# Altium PCB Proyecto0.PcbDoc (part 2 of 5) (continued)
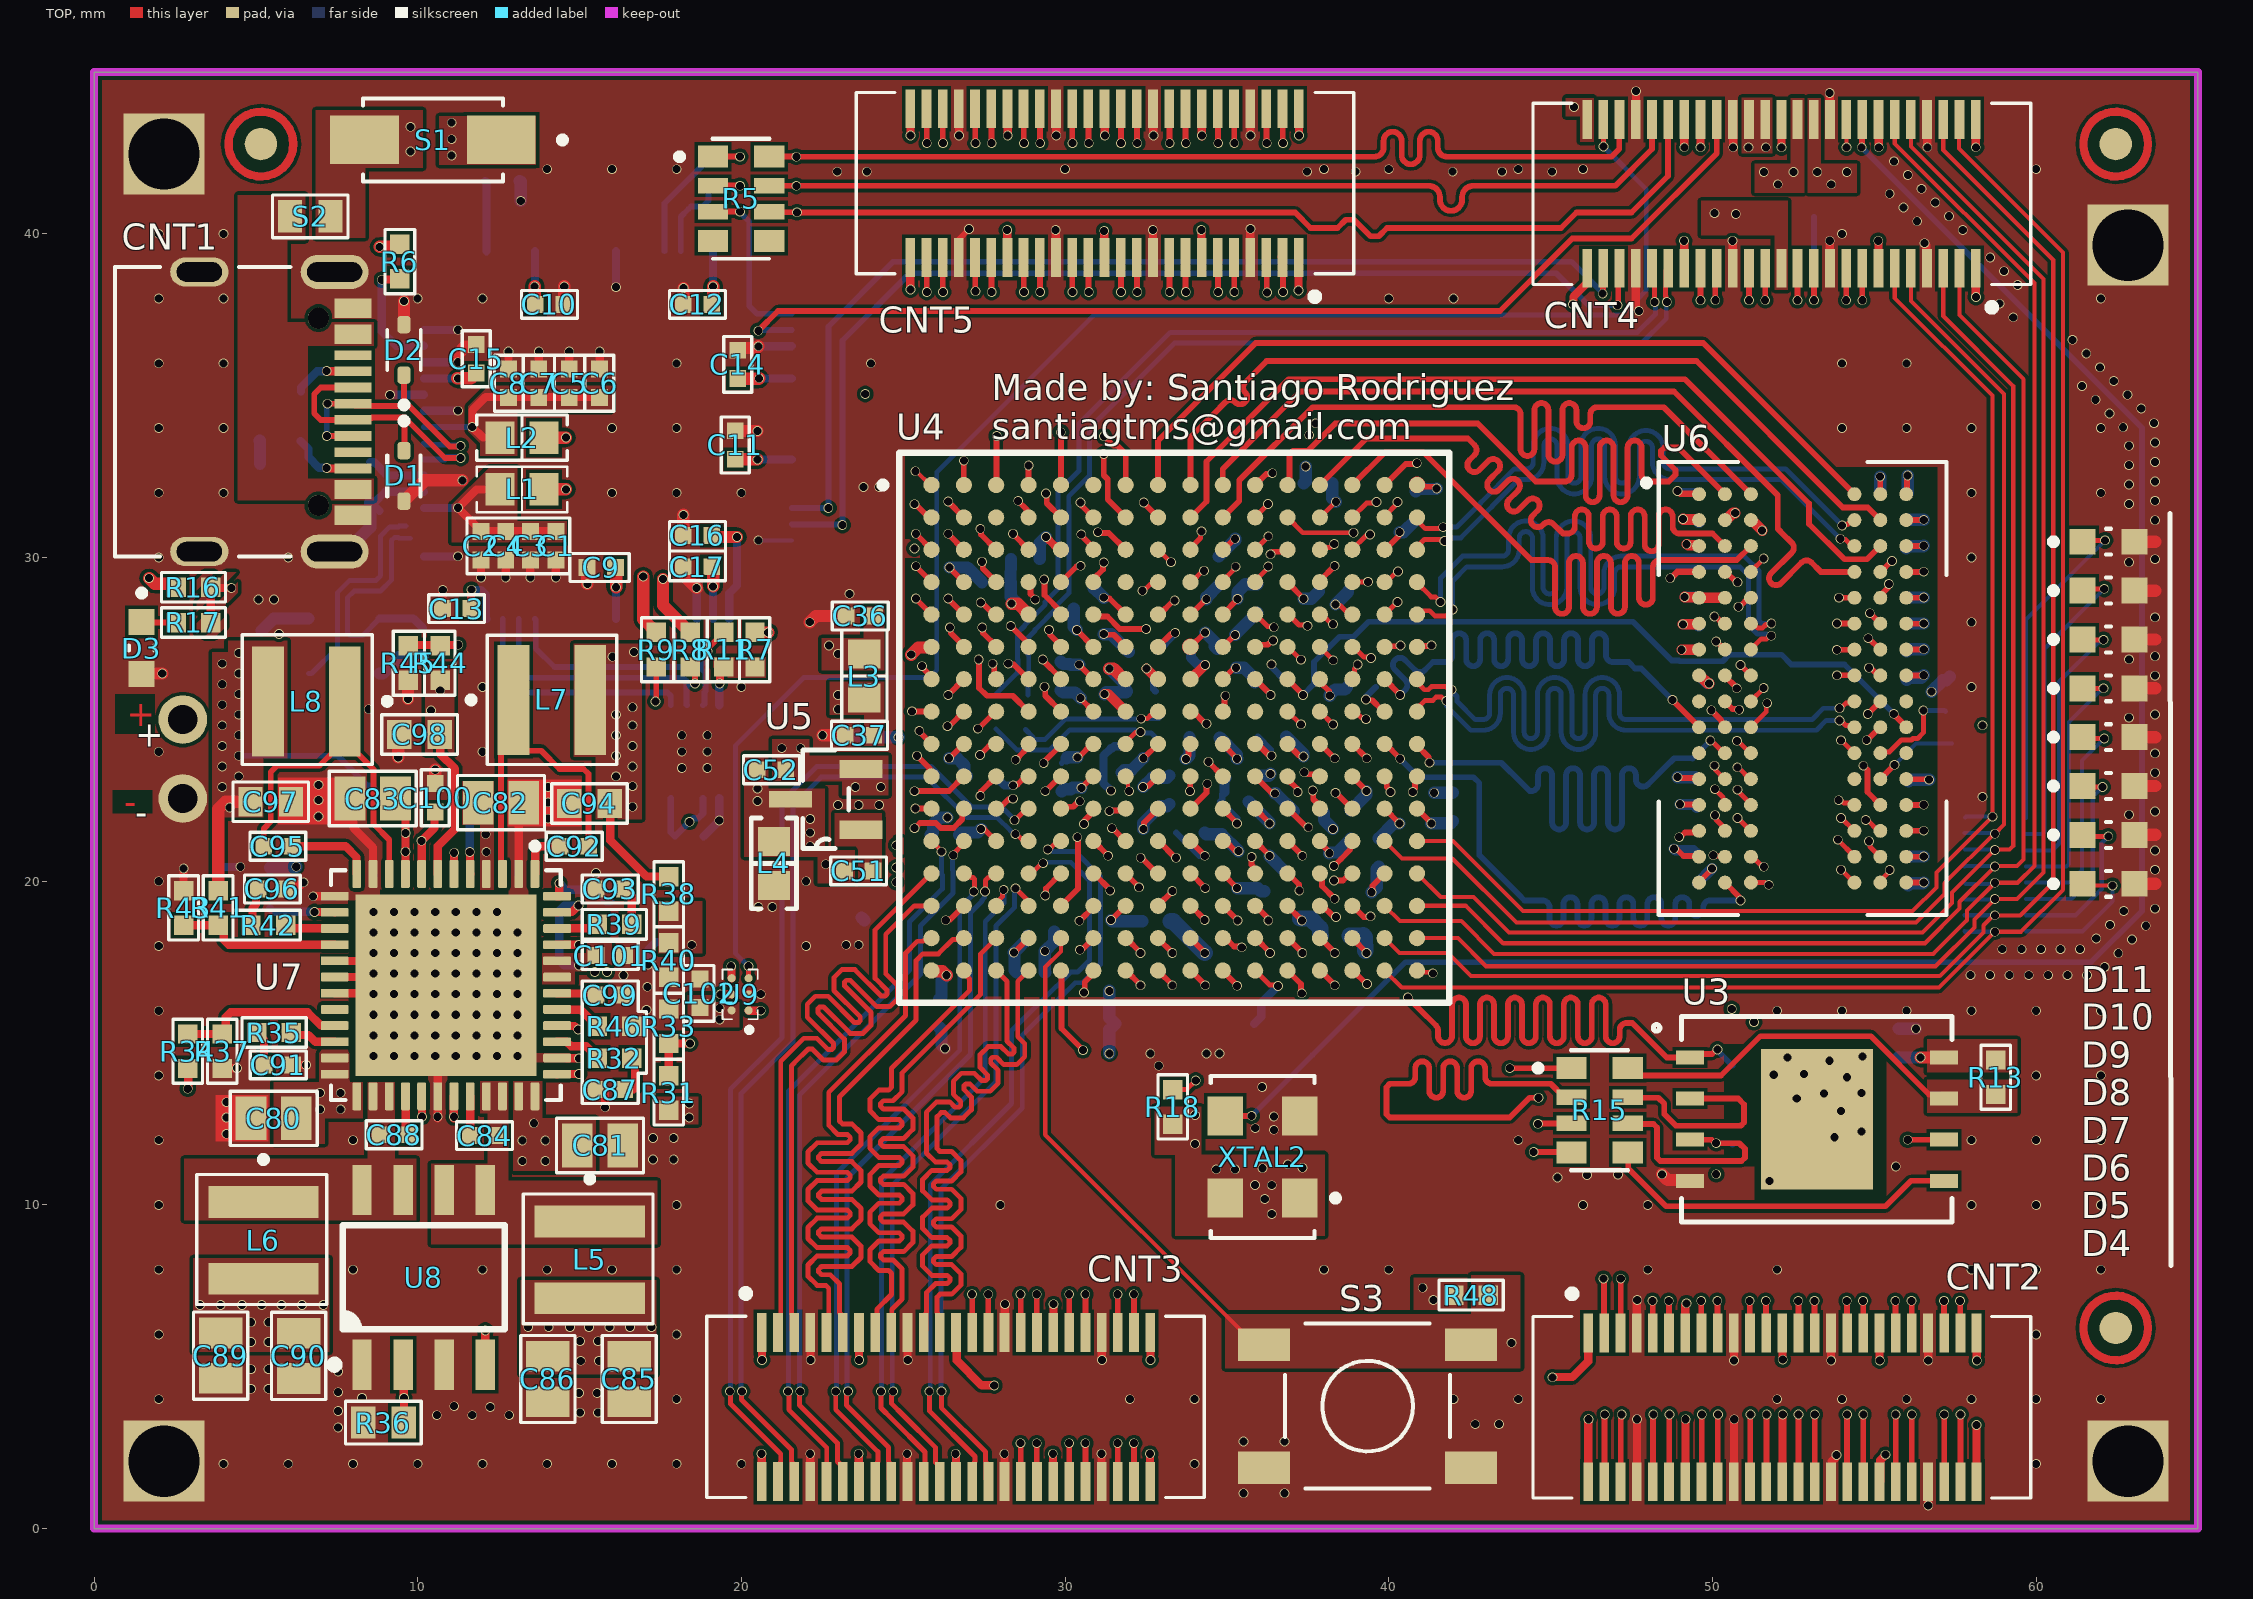
[diagram p0: TOP view]
## Nets (pads, with @x,y where several pads share a name; then routed paths per layer and width w, separated by ;. In a path a pad name is that pad's centre, name@x,y a point inside that pad or via, vN(x,y) a via of type N, cw(c..) or ccw(c..) an arc to the next point about the centre after c; other vN are vias at no path point) (continued)
ADD4: U4.F12 U6.P8 | length 23.4
  TOP w0.152: U4.F12@36.873,27.241 36.884,27.241 37.28,26.845 v1(37.286,26.845) ; v1(54.737,21.895) 54.777,21.895 55.115,21.557 U6.P8@55.186,21.557
  Signal[2] w0.152: v1(37.286,26.845) 37.696,26.845 38.527,26.014 38.837,26.014 ; 38.837,26.01 39.573,26.01 40.147,25.436 41.171,25.436 41.359,25.248 42.291,25.248 46.838,20.701 49.022,20.701 49.53,21.209 51.613,21.209 52.019,20.803 52.045,20.803 52.121,20.803 ccw(c52.121,21.006) 52.324,21.006 52.324,21.032 cw(c52.527,21.032) 52.73,21.032 52.73,20.925 ccw(c52.934,20.925) 53.137,20.925 53.137,21.032 cw(c53.34,21.032) 53.543,21.032 53.543,21.006 ccw(c53.746,21.006) 53.746,20.803 54.051,20.803 54.077,20.828 54.407,21.158 54.407,21.565 v1(54.737,21.895)
ADD5: U4.G14 U6.P2 | length 23.7
  TOP w0.152: U4.G14@38.873,26.245 38.939,26.312 38.939,26.556 39.038,26.654 v1(39.038,26.694) ; v1(50.081,22.039) 50.109,22.01 50.109,21.907 50.386,21.629 U6.P2@50.386,21.557
  TOP w0.178: U4.G14@38.873,26.241 U4.G14@38.873,26.245
  Signal[2] w0.152: v1(39.038,26.694) 39.078,26.694 39.277,26.495 42.878,26.495 42.924,26.495 42.954,26.464 ccw(c43.098,26.607) 43.242,26.464 43.352,26.574 cw(c43.496,26.431) 43.64,26.574 cw(c43.496,26.431) 43.64,26.287 43.285,25.932 ccw(c43.428,25.788) 43.285,25.644 ccw(c43.428,25.788) 43.572,25.644 43.927,25.999 cw(c44.071,25.856) 44.214,25.999 cw(c44.071,25.856) 44.214,25.712 43.859,25.357 ccw(c44.003,25.213) 43.859,25.07 ccw(c44.003,25.213) 44.147,25.07 44.502,25.425 cw(c44.645,25.281) 44.789,25.425 cw(c44.645,25.281) 44.789,25.137 44.434,24.782 ccw(c44.578,24.639) 44.434,24.495 ccw(c44.578,24.639) 44.721,24.495 45.077,24.85 cw(c45.22,24.706) 45.364,24.85 cw(c45.22,24.706) 45.364,24.563 45.009,24.208 ccw(c45.152,24.064) 45.009,23.92 ccw(c45.152,24.064) 45.296,23.92 45.651,24.275 cw(c45.795,24.132) 45.939,24.275 cw(c45.795,24.132) 45.939,23.988 45.584,23.633 ccw(c45.727,23.489) 45.584,23.345 ccw(c45.727,23.489) 45.871,23.345 46.226,23.701 cw(c46.37,23.557) 46.513,23.701 cw(c46.37,23.557) 46.513,23.413 46.158,23.058 ccw(c46.302,22.914) 46.158,22.771 ccw(c46.302,22.914) 46.446,22.771 46.801,23.126 cw(c46.944,22.982) 47.088,23.126 cw(c46.944,22.982) 47.088,22.838 46.978,22.728 ccw(c47.121,22.584) 46.978,22.441 47.404,22.014 50.056,22.014 v1(50.081,22.039)
ADD6: U4.H12 U6.R8 | length 23.7
  TOP w0.152: U4.H12@36.873,25.241 36.884,25.241 37.28,24.845 v1(37.286,24.845) ; v1(54.839,21.234) 54.867,21.206 54.867,21.067 55.091,20.843 55.103,20.843 U6.R8@55.121,20.825
  Signal[2] w0.152: v1(37.286,24.845) 37.924,24.207 39.471,24.207 40.617,23.061 40.867,23.061 41.044,22.884 41.044,22.633 41.044,22.507 41.732,21.819 41.732,20.98 44.526,18.186 52.349,18.186 54.81,20.647 54.81,21.206 v1(54.839,21.234)
ADD7: U4.E11 U6.R2 | length 23.8
  TOP w0.152: U4.E11@35.873,28.241 35.884,28.241 36.252,27.874 36.421,27.874 v1(36.449,27.846) ; v1@49.979,20.811 50.01,20.781 50.363,20.781 U6.R2@50.386,20.757
  Signal[2] w0.152: v1(36.449,27.846) 36.779,27.515 36.779,25.705 37.084,25.4 38.938,25.4 39.027,25.311 39.891,25.311 40.056,25.146 41.173,25.146 41.453,24.867 41.507,24.813 ccw(c41.65,24.956) 41.794,24.813 cw(c41.938,24.669) 42.082,24.813 cw(c41.938,24.669) 42.082,24.526 41.996,24.44 ccw(c42.14,24.297) 41.996,24.153 ccw(c42.14,24.297) 42.284,24.153 42.369,24.238 cw(c42.513,24.095) 42.657,24.238 cw(c42.513,24.095) 42.657,23.951 42.566,23.861 ccw(c42.71,23.717) 42.566,23.573 ccw(c42.71,23.717) 42.854,23.573 42.944,23.664 cw(c43.088,23.52) 43.231,23.664 cw(c43.088,23.52) 43.231,23.376 43.141,23.286 ccw(c43.285,23.142) 43.141,22.999 ccw(c43.285,23.142) 43.428,22.999 43.519,23.089 cw(c43.662,22.945) 43.806,23.089 cw(c43.662,22.945) 43.806,22.802 43.716,22.711 ccw(c43.859,22.568) 43.716,22.424 ccw(c43.859,22.568) 44.003,22.424 44.093,22.514 cw(c44.237,22.37) 44.381,22.514 cw(c44.237,22.37) 44.381,22.227 44.291,22.137 ccw(c44.434,21.993) 44.291,21.849 ccw(c44.434,21.993) 44.578,21.849 44.661,21.932 cw(c44.804,21.788) 44.948,21.932 cw(c44.804,21.788) 44.948,21.645 44.865,21.562 ccw(c45.009,21.418) 44.865,21.274 ccw(c45.009,21.418) 45.153,21.274 45.242,21.364 cw(c45.386,21.221) 45.53,21.364 cw(c45.386,21.221) 45.53,21.077 ccw(c45.673,20.933) 45.53,20.79 45.759,20.56 45.898,20.422 49.472,20.422 49.827,20.776 49.997,20.776 v1(50.026,20.804)
ADD8: U4.D13 U6.T8 | length 24
  TOP w0.152: U6.T8@55.186,19.957 55.186,20.018 55.474,20.305 v1(55.474,20.345)
  TOP w0.178: U4.D13@37.873,29.241 37.873,29.288 v2(38.329,29.743)
  Signal[2] w0.152: v2(38.329,29.743) 38.357,29.772 38.636,29.772 38.735,29.87 ; 38.745,29.891 40.848,29.891 41.112,29.627 46.853,29.627 49.005,27.474 49.506,27.474 49.595,27.385 49.595,25.843 49.854,25.584 50.09,25.584 50.267,25.407 50.267,25.37 50.72,24.917 51.359,24.917 51.511,24.765 52.324,24.765 55.169,21.92 55.169,20.65 v1(55.474,20.345)
ADD9: U4.H14 U6.R3 | length 23.3
  TOP w0.152: U4.H14@38.873,25.241 38.967,25.241 39.171,25.037 39.266,25.037 v1(39.294,25.008) ; U6.R3@51.186,20.757 51.237,20.757 51.547,20.447 v1(51.587,20.447)
  Signal[2] w0.152: v1(39.294,25.008) 39.558,25.008 39.726,24.841 40.638,24.841 40.993,24.486 41.377,24.486 41.935,23.927 41.935,23.622 42.888,22.669 42.888,22.06 44.887,20.061 45.161,19.787 45.572,19.787 cw(c45.572,19.583) 45.776,19.583 45.776,19.491 ccw(c45.979,19.491) 46.182,19.491 46.182,19.895 cw(c46.385,19.895) 46.588,19.895 46.588,19.491 ccw(c46.792,19.491) 46.995,19.491 46.995,19.895 cw(c47.198,19.895) 47.401,19.895 47.401,19.491 ccw(c47.604,19.491) 47.808,19.491 47.808,19.895 cw(c48.011,19.895) 48.214,19.895 48.214,19.491 ccw(c48.417,19.491) 48.62,19.491 48.62,19.895 cw(c48.824,19.895) 49.027,19.895 49.027,19.491 ccw(c49.23,19.491) 49.433,19.491 49.433,19.895 cw(c49.636,19.895) 49.84,19.895 49.84,19.491 ccw(c50.043,19.491) 50.246,19.491 50.246,19.583 cw(c50.449,19.583) 50.449,19.787 50.851,19.787 50.927,19.787 v1(51.587,20.447)
ADD10: U4.B11 U6.L7 | length 23.8
  TOP w0.152: U4.B11@35.873,31.241 35.873,31.253 36.268,31.648 v1(36.268,31.654) ; v1(53.973,24.353) 53.979,24.353 54.375,23.957 U6.L7@54.386,23.957
  Signal[2] w0.152: v1(36.268,31.654) 36.745,32.131 40.411,32.131 40.945,31.598 49.225,31.598 52.908,27.915 52.908,25.4 v1@53.975,24.333
ADD11: U4.F13 U6.R7 | length 23.7
  TOP w0.152: U4.F13@37.873,27.241 37.873,27.239 38.286,26.826 v1(38.286,26.825) ; v1(53.873,21.285) 53.873,21.278 54.386,20.765 U6.R7@54.386,20.757
  Signal[2] w0.152: v1(38.286,26.825) 38.893,26.218 42.083,26.218 46.664,21.636 48.818,21.636 48.846,21.664 49.097,21.664 49.124,21.636 50.758,21.636 50.834,21.636 50.935,21.636 ccw(c50.935,21.839) 51.139,21.839 51.139,22.276 cw(c51.342,22.276) 51.545,22.276 51.545,21.724 ccw(c51.748,21.724) 51.951,21.724 51.951,22.275 cw(c52.155,22.275) 52.358,22.275 52.358,21.723 ccw(c52.561,21.723) 52.764,21.723 52.764,22.274 cw(c52.967,22.274) 53.171,22.274 53.171,21.837 ccw(c53.374,21.837) 53.374,21.634 53.492,21.634 53.599,21.527 53.675,21.451 53.841,21.285 v1(53.873,21.285)
ADD12: U4.D11 U6.N7 | length 24
  TOP w0.152: U4.D11@35.873,29.241 35.873,29.28 36.277,29.684 v1(36.277,29.723) ; v1(53.899,22.504) 53.966,22.504 54.06,22.41 54.333,22.41 U6.N7@54.386,22.357
  Signal[2] w0.152: v1(36.277,29.723) 36.698,29.723 37.841,29.723 38.24,29.324 39.002,29.324 39.294,29.616 39.522,29.616 39.878,29.261 46.39,29.261 49.047,26.603 49.047,26.238 49.352,25.933 49.352,25.375 49.835,24.892 50.368,24.892 50.597,24.663 51.079,24.663 51.283,24.46 52.237,24.46 52.28,24.417 52.622,24.075 cw(c52.478,23.932) 52.622,23.788 52.348,23.514 ccw(c52.492,23.371) 52.348,23.227 ccw(c52.492,23.371) 52.635,23.227 52.909,23.501 cw(c53.053,23.357) 53.196,23.501 53.716,22.982 53.851,22.846 53.851,22.552 v1(53.899,22.504)
ADD13: U4.G11 U6.T3 | length 23.2
  TOP w0.152: U6.T3@51.186,19.957 51.631,19.957 51.7,19.888 v1(51.74,19.888)
  TOP w0.178: U4.G11@35.873,26.241 36.351,25.763 v1(36.351,25.756)
  Signal[2] w0.152: v1@36.322,25.73 36.322,25.726 36.046,25.451 35.624,25.451 35.535,25.362 35.535,24.575 35.624,24.486 36.398,24.486 37.084,25.171 38.633,25.171 38.886,24.919 38.886,24.887 39.134,24.638 40.386,24.638 40.945,24.079 41.326,24.079 41.58,23.825 41.58,23.444 42.52,22.504 42.52,21.869 45.39,18.999 51.13,18.999 51.74,19.609 v1(51.74,19.888)
ADD14: U4.H13 U6.T7 | length 23.4
  TOP w0.152: U4.H13@37.873,25.241 37.878,25.241 38.277,24.842 v1(38.283,24.842) ; v1(53.972,20.354) 53.981,20.354 54.378,19.957 U6.T7@54.386,19.957
  Signal[2] w0.152: v1(38.283,24.842) 38.289,24.842 38.721,24.41 40.233,24.41 40.955,23.688 40.955,23.537 41.132,23.359 41.284,23.359 42.005,22.638 42.005,21.571 44.933,18.644 51.333,18.644 51.511,18.821 51.852,19.163 cw(c51.996,19.019) 52.14,19.163 52.324,18.979 ccw(c52.467,19.122) 52.611,18.979 ccw(c52.467,19.122) 52.611,19.266 52.232,19.645 cw(c52.376,19.789) 52.232,19.933 cw(c52.376,19.789) 52.519,19.933 52.898,19.553 ccw(c53.042,19.697) 53.186,19.553 ccw(c53.042,19.697) 53.186,19.841 53.002,20.025 cw(c53.146,20.168) 53.002,20.312 53.043,20.354 53.368,20.354 v1(53.972,20.354)
AGND: C38.1 C51.1 C52.1 C53.1 CNT4.39 L4.2 U4.G7 U4.H7 U5.3 | length 5.1
  TOP w0.305: v1(31.217,25.781) 31.333,25.781 U4.H7@31.873,25.241
  TOP w0.381: v1(31.369,26.568) 31.493,26.568 31.82,26.241 U4.G7@31.873,26.241 U4.G7@31.835,26.278
  BOT w0.254: v1(31.417,22.8) 31.414,22.8 31.191,23.023 31.191,23.884 31.414,24.107 31.457,24.107 31.521,24.17 31.68,24.17 C53.1@31.75,24.24
  BOT w0.381: v1(31.217,25.781) 31.269,25.834 31.881,25.834 C38.1@31.913,25.866 31.843,25.935 31.843,26.094 v1(31.369,26.568)
  other v1: 22.606,20.523 22.123,21.082 22.123,21.501 22.123,21.92 20.495,22.479 20.495,22.86 52.019,41.529 51.587,41.91 52.502,41.91
B1: CNT5.15 U4.D3 | length 11.4
  TOP w0.178: v1(27.432,29.87) 27.455,29.847 27.455,29.662 27.873,29.245 U4.D3@27.873,29.241 ; CNT5.15@30.224,39.26 30.224,38.208 v1(30.23,38.202)
  Signal[1] w0.152: v1(27.432,29.87) 27.432,30.384 28.194,31.146 28.194,35.535 30.23,37.571 v1(30.23,38.202)
B2: CNT5.40 U4.A4 | length 13
  TOP w0.178: U4.A4@28.873,32.242 28.873,32.789 v1(28.874,32.845) ; CNT5.40@32.224,43.86 32.224,42.808 v1(32.23,42.802)
  Signal[1] w0.152: v1(28.874,32.845) 28.874,34.919 31.166,37.211 31.166,38.712 32.23,39.776 v1(32.23,42.802)
B4: CNT5.46 U4.D5 | length 17.1
  TOP w0.178: U4.D5@29.873,29.241 30.352,29.72 30.457,29.72 v1(30.48,29.743) ; CNT5.46@35.204,43.663 35.224,43.643 35.224,42.808 v1(35.23,42.802)
  Signal[1] w0.152: v1(30.48,29.743) 32.067,31.331 32.067,32.321 35.687,35.941 35.687,39.453 35.23,39.91 v1(35.23,42.802)
B5: CNT5.48 U4.F4 | length 22.2
  TOP w0.178: v1(28.32,27.887) 28.753,27.455 28.753,27.448 28.873,27.328 U4.F4@28.873,27.241 ; v1(36.23,42.802) 36.224,42.808 36.224,43.692 CNT5.48@36.246,43.713
  Signal[1] w0.152: v1(28.32,27.887) 28.921,27.887 30.142,29.108 31.496,29.108 33.706,31.318 33.706,32.461 37.541,36.297 37.541,38.481 36.23,39.792 v1(36.23,42.802)
B6: CNT5.49 U4.F5 | length 21.3
  TOP w0.178: v1(29.5,27.767) 29.524,27.744 29.524,27.623 29.873,27.274 U4.F5@29.873,27.241 ; CNT5.49@36.728,43.764 36.724,43.76 36.724,42.808 v1(36.73,42.802)
  Signal[1] w0.152: v1(29.5,27.767) 30.206,28.473 31.054,28.473 31.069,28.459 31.405,28.459 34.201,31.254 34.201,32.524 37.846,36.17 37.846,38.71 36.73,39.825 v1(36.73,42.802)
B7: CNT5.2 U4.D4 | length 15.3
  TOP w0.178: U4.D4@28.873,29.241 28.934,29.179 28.934,28.877 29.08,28.731 v1(29.08,28.698) ; CNT5.2@36.652,39.294 36.73,39.216 v1(36.73,38.202)
  Signal[1] w0.152: v1(29.08,28.698) 29.399,29.017 29.479,29.017 29.657,29.195 29.657,29.231 29.89,29.464 30.331,29.464 30.355,29.441 30.605,29.441 30.629,29.464 31.344,29.464 33.299,31.42 33.299,32.512 36.73,35.943 v1(36.73,38.202)
BA0: U4.C8 U6.M2 | length 23.5
  TOP w0.152: U4.C8@32.873,30.241 32.881,30.241 33.266,29.857 v1(33.275,29.857) ; v1(50.063,23.571) 50.092,23.543 50.092,23.439 50.373,23.157 U6.M2@50.386,23.157
  Signal[2] w0.152: v1(33.275,29.857) 33.921,29.21 34.392,29.21 35.154,28.448 35.178,28.448 35.204,28.422 36.252,28.422 36.254,28.425 37.302,28.425 37.482,28.245 38.659,28.245 39.091,27.813 45.085,27.813 45.248,27.976 45.469,27.976 45.858,27.976 45.933,27.901 cw(c45.789,27.758) 45.933,27.614 45.859,27.54 ccw(c46.003,27.397) 45.859,27.253 ccw(c46.003,27.397) 46.146,27.253 46.324,27.431 cw(c46.468,27.287) 46.612,27.431 cw(c46.468,27.287) 46.612,27.143 46.434,26.965 ccw(c46.577,26.822) 46.434,26.678 ccw(c46.577,26.822) 46.721,26.678 46.899,26.856 cw(c47.043,26.712) 47.186,26.856 cw(c47.043,26.712) 47.186,26.569 47.008,26.391 ccw(c47.152,26.247) 47.008,26.103 ccw(c47.152,26.247) 47.296,26.103 47.37,26.177 cw(c47.513,26.034) 47.657,26.177 48.057,25.778 48.057,25.273 48.075,25.255 49.73,23.599 50.035,23.599 v1(50.063,23.571)
BA1: U4.C12 U6.N8 | length 24.2
  TOP w0.178: v1(36.347,30.099) 36.428,30.179 36.811,30.179 U4.C12@36.873,30.241 ; v2(54.661,23.571) 54.661,23.569 54.788,23.442 54.788,22.756 U6.N8@55.186,22.357
  Signal[2] w0.152: v1(36.347,30.099) 41.097,30.099 41.303,29.893 47.501,29.893 49.056,28.338 49.31,28.338 49.866,27.782 50.33,27.782 50.419,27.692 50.419,25.756 50.521,25.654 50.975,25.654 51.585,25.044 52.415,25.044 53.888,23.571 v2(54.661,23.571)
BA2: U4.D9 U6.M3 | length 23.8
  TOP w0.152: U4.D9@33.873,29.241 33.906,29.241 34.256,29.591 v1(34.29,29.591) ; v1(50.767,23.517) 50.797,23.517 51.157,23.157 U6.M3@51.186,23.157
  Signal[2] w0.152: v1(34.29,29.591) 34.317,29.618 34.848,29.618 35.382,29.083 37.711,29.083 37.914,28.88 38.574,28.88 39.202,28.252 40.869,28.252 41.028,28.092 42.443,28.092 42.596,28.245 ; 42.596,28.252 42.884,28.252 42.96,28.252 ccw(c42.96,28.455) 43.163,28.455 43.163,28.463 cw(c43.366,28.463) 43.57,28.463 43.57,28.328 ccw(c43.773,28.328) 43.976,28.328 43.976,28.399 cw(c44.179,28.399) 44.382,28.399 44.382,28.328 ccw(c44.586,28.328) 44.789,28.328 44.789,28.383 cw(c44.992,28.383) 45.195,28.383 ccw(c45.398,28.383) 45.602,28.383 45.602,28.455 cw(c45.805,28.455) 46.008,28.455 ccw(c46.211,28.455) 46.211,28.252 46.373,28.252 46.525,28.1 48.387,26.238 48.387,25.375 49.809,23.952 50.876,23.952 51.096,23.732 51.096,23.606 51.007,23.517 v1(50.767,23.517)
BVUS: CNT1.A4_B9 CNT1.B4_A9 S2.1
BVUS_PROTECTED: R2.2 S1.A S2.2
  other v1: 9.779,42.545 9.779,43.307
C1: CNT5.14 U4.B4 | length 9.1
  TOP w0.178: v1(28.549,31.751) 28.811,31.489 28.811,31.303 U4.B4@28.873,31.241 ; CNT5.14@30.724,39.26 30.724,38.208 v1(30.73,38.202)
  Signal[1] w0.152: v1(28.549,31.751) 28.549,35.153 30.73,37.334 v1(30.73,38.202)
C2: CNT5.12 U4.C4 | length 10.5
  TOP w0.178: v1(28.391,30.734) 28.391,30.723 U4.C4@28.873,30.241 ; v1(31.73,38.202) 31.724,38.208 31.724,39.166 CNT5.12@31.75,39.192
  Signal[1] w0.152: v1(28.391,30.734) 28.981,31.325 28.981,32.258 29.21,32.487 29.21,34.696 31.73,37.217 v1(31.73,38.202)
C3: CNT5.11 U4.B5 | length 9.4
  TOP w0.178: v1(29.413,31.979) 29.437,31.955 29.437,31.677 U4.B5@29.873,31.241 ; v1(32.23,38.202) 32.224,38.208 32.224,39.26 CNT5.11@32.233,39.268
  Signal[1] w0.152: v1(29.413,31.979) 29.616,32.182 29.616,33.065 29.568,33.114 29.568,33.998 29.616,34.046 29.616,34.544 32.23,37.158 v1(32.23,38.202)
C4: CNT5.33 U4.E1 | length 20
  TOP w0.178: v1(25.391,28.734) 25.391,28.723 U4.E1@25.873,28.241 ; CNT5.33@28.724,43.86 28.724,42.808 v1(28.73,42.802)
  Signal[1] w0.152: v1(25.391,28.734) 24.936,28.734 22.352,31.318 22.352,36.423 v1(28.73,42.802)
C6: CNT5.9 U4.E5 | length 12.6
  TOP w0.178: v1(29.354,29.32) 29.362,29.312 29.362,28.839 29.873,28.328 U4.E5@29.873,28.241 ; CNT5.9@33.223,39.014 33.224,39.013 33.224,38.208 v1(33.23,38.202)
  Signal[1] w0.152: v1(29.354,29.32) 29.354,29.964 30.15,30.759 30.15,30.886 ; 30.151,30.886 30.151,32.729 ; 30.151,32.73 30.151,32.96 ; 30.151,32.961 30.151,33.757 33.23,36.837 v1(33.23,38.202)
C7: CNT5.8 U4.B6 | length 9.3
  TOP w0.178: v1(30.48,31.7) 30.503,31.676 30.503,31.611 U4.B6@30.873,31.241 ; v1(33.73,38.202) 33.724,38.208 33.724,39.033 CNT5.8@33.731,39.04
  Signal[1] w0.152: v1(30.48,31.7) 30.48,33.502 33.73,36.753 v1(33.73,38.202)
C\A\S\: U4.C11 U6.K3 | length 23.4
  TOP w0.152: U4.C11@35.873,30.241 35.884,30.241 35.884,30.253 36.28,30.648 v1(36.28,30.654) ; U6.K3@51.186,24.757 51.661,25.231 51.661,25.473 v1(51.689,25.502)
  Signal[2] w0.152: v1(36.28,30.654) 36.32,30.654 36.395,30.729 38.517,30.729 38.843,30.404 41.17,30.404 41.424,30.15 41.834,30.15 42.316,30.632 42.621,30.632 43.104,30.632 cw(c43.104,30.429) 43.307,30.429 43.307,30.382 ccw(c43.51,30.382) 43.713,30.382 43.713,30.556 cw(c43.917,30.556) 44.12,30.556 44.12,30.382 ccw(c44.323,30.382) 44.526,30.382 44.526,30.556 cw(c44.729,30.556) 44.933,30.556 44.933,30.382 ccw(c45.136,30.382) 45.339,30.382 45.339,30.556 cw(c45.542,30.556) 45.745,30.556 45.745,30.382 ccw(c45.949,30.382) 46.152,30.382 46.152,30.429 cw(c46.355,30.429) 46.355,30.632 46.772,30.632 48.031,30.632 51.206,27.457 51.206,25.984 51.279,25.911 51.279,25.845 51.457,25.667 51.523,25.667 v1(51.689,25.502)
C\S\: U4.J16 U6.L2 | length 22.1
  TOP w0.152: v1(49.936,24.349) 49.965,24.349 50.357,23.957 U6.L2@50.386,23.957
  TOP w0.178: U4.J16@40.873,24.241 40.873,24.191 41.234,23.829 41.234,23.685 v1(41.258,23.662)
  BOT w0.178: v1(41.258,23.662) 43.477,23.662 44.093,23.046 44.355,22.784 44.398,22.784 ccw(c44.398,23) 44.614,23 44.614,23.276 cw(c44.83,23.276) 45.045,23.276 45.045,21.817 ccw(c45.261,21.817) 45.477,21.817 45.477,23.276 cw(c45.693,23.276) 45.909,23.276 45.909,21.817 ccw(c46.125,21.817) 46.341,21.817 46.341,23.276 cw(c46.557,23.276) 46.773,23.276 46.773,21.817 ccw(c46.989,21.817) 47.204,21.817 47.204,23.276 cw(c47.42,23.276) 47.636,23.276 47.636,23.138 ccw(c47.852,23.138) 48.005,22.986 48.553,23.534 48.819,23.8 49.378,23.8 ; 49.382,23.795 v1(49.936,24.349)
CK_N: U4.H16 U6.K7 | length 22.7
  TOP w0.152: U4.H16@40.873,25.241 40.873,25.335 41.124,25.586 41.361,25.586 41.461,25.686 41.625,25.686 41.739,25.572 v1(41.779,25.572) ; v2(53.924,24.968) 53.964,24.968 54.122,24.81 54.333,24.81 U6.K7@54.386,24.757
  BOT w0.152: v1(41.779,25.572) 41.779,25.42 42.535,24.663 42.672,24.663 42.913,24.663 ccw(c42.913,25.197) 43.447,25.197 43.447,25.758 cw(c43.65,25.758) 43.853,25.758 43.853,24.606 ccw(c44.386,24.606) 44.92,24.606 44.92,25.758 cw(c45.123,25.758) 45.326,25.758 45.326,24.606 ccw(c45.86,24.606) 46.393,24.606 46.393,25.758 cw(c46.596,25.758) 46.799,25.758 46.799,25.197 ccw(c47.333,25.197) 47.333,24.663 48.98,24.663 53.213,24.663 53.518,24.968 v2(53.924,24.968)
CK_P: U4.G16 U6.J7 | length 22.8
  TOP w0.152: U4.G16@40.873,26.241 40.873,26.147 41.009,26.011 41.009,26.005 41.098,25.916 41.225,25.916 41.325,26.016 41.762,26.016 41.835,25.943 41.907,25.943 v1(41.935,25.915) ; v2(53.924,25.345) 53.964,25.345 54.123,25.504 54.333,25.504 U6.J7@54.386,25.557
  BOT w0.152: v1(41.935,25.915) 41.935,25.883 42.109,25.709 42.109,25.556 42.672,24.994 42.913,24.994 ccw(c42.913,25.197) 43.116,25.197 43.116,25.758 cw(c43.65,25.758) 44.183,25.758 44.183,24.606 ccw(c44.386,24.606) 44.59,24.606 44.59,25.758 cw(c45.123,25.758) 45.656,25.758 45.656,24.606 ccw(c45.86,24.606) 46.063,24.606 46.063,25.758 cw(c46.596,25.758) 47.13,25.758 47.13,25.197 ccw(c47.333,25.197) 47.333,24.994 48.98,24.994 53.076,24.994 53.427,25.345 v2(53.924,25.345)
CKE: U4.G12 U6.K9 | length 22.2
  TOP w0.178: U4.G12@36.873,26.241 37.351,25.763 v1(37.351,25.756) ; v1(55.601,25.171) 55.601,25.157 55.986,24.771 U6.K9@55.986,24.757
  BOT w0.178: v1(37.351,25.756) 37.694,26.098 37.694,26.772 38.478,27.556 38.91,27.556 39.37,28.016 47.549,28.016 48.743,26.822 48.957,26.822 48.982,26.797 50.317,26.797 50.521,27 52.13,27 52.434,26.695 54.077,26.695 55.561,25.211 v1@55.615,25.211
COMP1: R32.2 U7.39 | length 1.6
  TOP w0.254: U7.39@14.306,15.039 14.601,15.039 14.738,14.903 15.204,14.903 15.372,14.736 15.372,14.702 R32.2@15.545,14.529 R32.2@15.697,14.529
COMP2: R35.2 U7.22 | length 1.5
  TOP w0.254: R35.2@6.096,15.326 6.171,15.251 6.628,15.251 6.84,15.039 U7.22@7.436,15.039
COMP3: R39.2 U7.46 | length 1.3
  TOP w0.254: U7.46@14.306,18.539 14.314,18.547 15.423,18.547 R39.2@15.545,18.669
COMP4: R42.2 U7.15 | length 1.6
  TOP w0.254: R42.2@5.918,18.644 6.014,18.547 7.428,18.547 U7.15@7.436,18.539
CONFIG_TCK: CNT4.30 R5.7 U4.L7 | length 54.5
  TOP w0.178: R5.7@20.942,41.489 21.692,41.489 v2(21.698,41.483) 40.462,41.483 41.237,41.483 cw(c41.237,41.14) 41.58,41.14 41.58,41.055 ccw(c41.923,41.055) 42.266,41.055 42.266,41.14 cw(c42.608,41.14) 42.608,41.483 43.764,41.483 46.994,41.483 48.13,42.618 CNT4.30@48.13,43.536 ; v1(31.369,22.165) 31.392,22.189 31.815,22.189 U4.L7@31.868,22.241
  Signal[2] w0.152: v2(21.698,41.483) 22.225,40.956 22.225,38.844 22.896,38.173 23.417,37.652 cw(c23.183,37.419) 23.417,37.185 23.284,37.053 ccw(c23.517,36.819) 23.284,36.586 ccw(c23.517,36.819) 23.751,36.586 23.883,36.718 cw(c24.117,36.485) 24.35,36.718 25.31,35.759 28.11,32.959 28.11,32.926 28.612,32.424 28.612,32.121 29.87,30.862 29.87,25.679 30.861,24.689 30.861,22.712 31.369,22.204 v1(31.369,22.165)
CONFIG_TCK_T: R5.2 U1.29 | length 4.3
  TOP w0.178: R5.2@19.202,41.491 19.952,41.491 v2(19.958,41.484)
  BOT w0.178: U1.29@18.125,39.462 18.125,40.528 18.364,40.767 18.445,40.848 18.807,40.848 18.987,41.027 18.987,41.39 19.05,41.453 19.082,41.484 v2(19.958,41.484)
CONFIG_TDI: CNT4.28 R5.8 U4.N7 | length 58
  TOP w0.178: R5.8@20.942,42.389 21.692,42.389 v2(21.698,42.383) 39.472,42.383 39.56,42.383 ccw(c39.56,42.662) 39.84,42.662 39.84,42.872 cw(c40.119,42.872) 40.399,42.872 40.399,42.43 ccw(c40.678,42.43) 40.957,42.43 40.957,42.872 cw(c41.237,42.872) 41.516,42.872 41.516,42.662 ccw(c41.796,42.662) 41.796,42.383 42.553,42.383 46.878,42.383 47.119,42.623 47.119,43.524 CNT4.28@47.13,43.536 ; U4.N7@31.868,20.241 31.868,20.237 32.283,19.821 v1(32.283,19.812)
  Signal[2] w0.152: v2(21.698,42.383) 22.809,41.271 22.809,39.518 30.055,32.272 30.299,32.272 30.569,32.002 30.605,32.002 30.782,31.825 30.782,31.789 31.953,30.618 31.953,25.883 32.309,25.527 32.944,24.892 32.944,20.828 32.945,20.826 32.945,20.474 v1(32.283,19.812)
CONFIG_TDI_T: R5.1 U1.28 | length 5.2
  TOP w0.178: R5.1@19.202,42.391 19.952,42.391 v2(19.958,42.384)
  BOT w0.178: U1.28@17.625,39.462 17.625,40.942 19.067,42.384 v2(19.958,42.384)
CONFIG_TDO: CNT4.34 U1.34 U4.N8 | length 58.7
  TOP w0.178: v2(20.523,37.008) 21.133,37.617 43.434,37.617 45.669,39.853 47.498,39.853 50.13,42.485 CNT4.34@50.13,43.536 ; v1(32.334,20.726) 32.361,20.726 32.846,20.241 U4.N8@32.868,20.241
  Signal[2] w0.152: v2(20.523,37.008) 21.692,35.839 22.212,35.319 cw(c21.979,35.085) 22.212,34.852 21.99,34.629 ccw(c22.223,34.395) 21.99,34.162 ccw(c22.223,34.395) 22.457,34.162 22.679,34.385 cw(c22.913,34.151) 23.146,34.385 24.359,33.172 25.806,31.725 25.806,27.127 28.778,24.155 28.778,22.225 30.534,20.469 32.056,20.469 32.313,20.726 v1(32.334,20.726)
  BOT w0.178: v2(20.523,37.008) 20.547,37.032 U1.34@21.555,37.032
CONFIG_TMS: CNT4.31 R5.6 U4.M7 | length 56.1
  TOP w0.178: R5.6@20.86,40.683 20.877,40.666 v2(21.717,40.665) 21.725,40.657 37.109,40.657 37.583,40.183 38.329,40.183 38.417,40.183 38.671,40.437 38.925,40.437 39.433,39.929 39.687,39.929 39.941,40.183 40.462,40.183 45.322,40.183 45.796,40.657 47.498,40.657 48.63,41.789 CNT4.31@48.63,43.536 ; v1(31.445,21.641) 31.459,21.641 31.859,21.241 U4.M7@31.868,21.241
  Signal[2] w0.152: v2(21.717,40.665) 21.717,37.592 24.191,35.118 24.545,34.764 cw(c24.311,34.53) 24.545,34.297 24.378,34.13 ccw(c24.612,33.897) 24.378,33.663 ccw(c24.612,33.897) 24.845,33.663 25.012,33.83 cw(c25.245,33.597) 25.479,33.83 26.467,32.842 27.779,31.53 27.779,30.26 28.777,29.262 28.777,25.731 29.743,24.765 29.743,22.631 30.226,22.149 30.937,22.149 v1(31.445,21.641)
CONFIG_TMS_T: R5.3 U1.33 | length 5.2
  TOP w0.178: R5.3@19.202,40.691 19.952,40.691 v2(19.958,40.684)
  BOT w0.178: v2@19.964,40.716 19.964,40.66 20.244,40.381 20.244,39.675 20.244,38.786 20.244,37.77 20.482,37.532 U1.33@21.555,37.532
D1: CNT5.36 U4.B1 | length 15.2
  TOP w0.178: v1(25.349,31.648) 25.378,31.648 25.786,31.241 U4.B1@25.873,31.241 ; CNT5.36@30.224,43.86 30.224,42.808 v1(30.23,42.802)
  Signal[1] w0.152: v1(25.349,31.648) 24.994,32.004 24.994,36.297 26.695,37.998 26.695,39.267 v1(30.23,42.802)
D3: CNT5.18 U4.A2 | length 7.8
  TOP w0.178: U4.A2@26.873,32.242 v1(26.873,32.995) ; CNT5.18@28.724,39.26 28.724,38.208 v1(28.73,38.202)
  Signal[1] w0.152: v1(26.873,32.995) 26.873,35.568 28.73,37.425 v1(28.73,38.202)
D4: CNT5.34 U4.E2 | length 20.3
  TOP w0.178: v1(26.391,28.734) 26.391,28.723 U4.E2@26.873,28.241 ; CNT5.34@29.224,43.86 29.224,42.808 v1(29.23,42.802)
  Signal[1] w0.152: v1(26.391,28.734) 25.991,29.134 25.274,29.134 23.444,30.964 23.444,31.202 22.911,31.735 22.911,36.482 v1(29.23,42.802)
D5: CNT5.42 U4.A5 | length 13
  TOP w0.178: v1(29.87,33.872) 29.87,33.104 29.873,33.101 U4.A5@29.873,32.242 ; CNT5.42@33.224,43.86 33.224,42.808 v1(33.23,42.802)
  Signal[1] w0.152: v1(29.87,33.872) 32.664,36.666 32.664,38.545 33.23,39.111 v1(33.23,42.802)
D6: CNT5.43 U4.A7 | length 13.3
  TOP w0.178: v1@31.203,33.746 31.497,33.452 31.623,33.452 31.873,33.202 U4.A7@31.873,32.241 ; CNT5.43@33.724,43.86 33.724,42.808 v1(33.73,42.802)
  Signal[1] w0.152: v1(31.202,33.746) 31.242,33.746 34.056,36.56 34.056,38.785 33.73,39.111 v1(33.73,42.802)
D\D\R\_\R\E\S\E\T\: U4.J15 U6.T2 | length 22.6
  TOP w0.178: U4.J15@39.873,24.241 39.873,24.271 40.351,23.792 v1(40.351,23.785) ; U6.T2@50.386,19.957 50.842,19.501 50.842,19.429 v1(50.866,19.406)
  BOT w0.178: v1(40.351,23.785) 40.921,23.216 42.621,23.216 42.799,23.038 42.799,20.803 44.013,19.589 44.196,19.406 44.749,19.406 cw(c44.749,19.19) 44.965,19.19 44.965,18.846 ccw(c45.181,18.846) 45.397,18.846 45.397,19.291 cw(c45.613,19.291) 45.829,19.291 45.829,18.846 ccw(c46.045,18.846) 46.261,18.846 46.261,19.291 cw(c46.477,19.291) 46.692,19.291 46.692,18.846 ccw(c46.908,18.846) 47.124,18.846 47.124,19.291 cw(c47.34,19.291) 47.556,19.291 47.556,18.846 ccw(c47.772,18.846) 47.988,18.846 47.988,19.291 cw(c48.204,19.291) 48.42,19.291 48.42,18.846 ccw(c48.636,18.846) 48.851,18.846 48.851,19.291 cw(c49.067,19.291) 49.283,19.291 49.283,19.15 ccw(c49.499,19.15) 49.715,19.15 49.715,19.192 cw(c49.931,19.192) 49.931,19.408 50.476,19.408 50.565,19.408 50.864,19.408 v1(50.866,19.406)
DONE: CNT4.12 R16.1 R17.1 U4.H10 | length 60.5
  TOP w0.178: U4.H10@34.873,25.241 34.927,25.295 34.927,25.707 v1(34.95,25.73) ; v1(52.629,37.948) CNT4.12@52.629,38.935
  TOP w0.254: R17.1@3.607,27.991 R16.1@3.607,29.083 3.632,29.058 v1(4.242,29.058)
  Signal[1] w0.152: v1(4.242,29.058) 5.131,28.169 18.72,28.169 20.752,26.137 26.976,26.137 27.679,25.434 30.274,25.434 30.355,25.354 34.574,25.354 v1(34.95,25.73) 34.95,27.912 36.678,29.639 36.678,31.028 41.082,35.433 50.114,35.433 v1(52.629,37.948)